# KiCad board EnvKB_HS.kicad_pcb (continued)
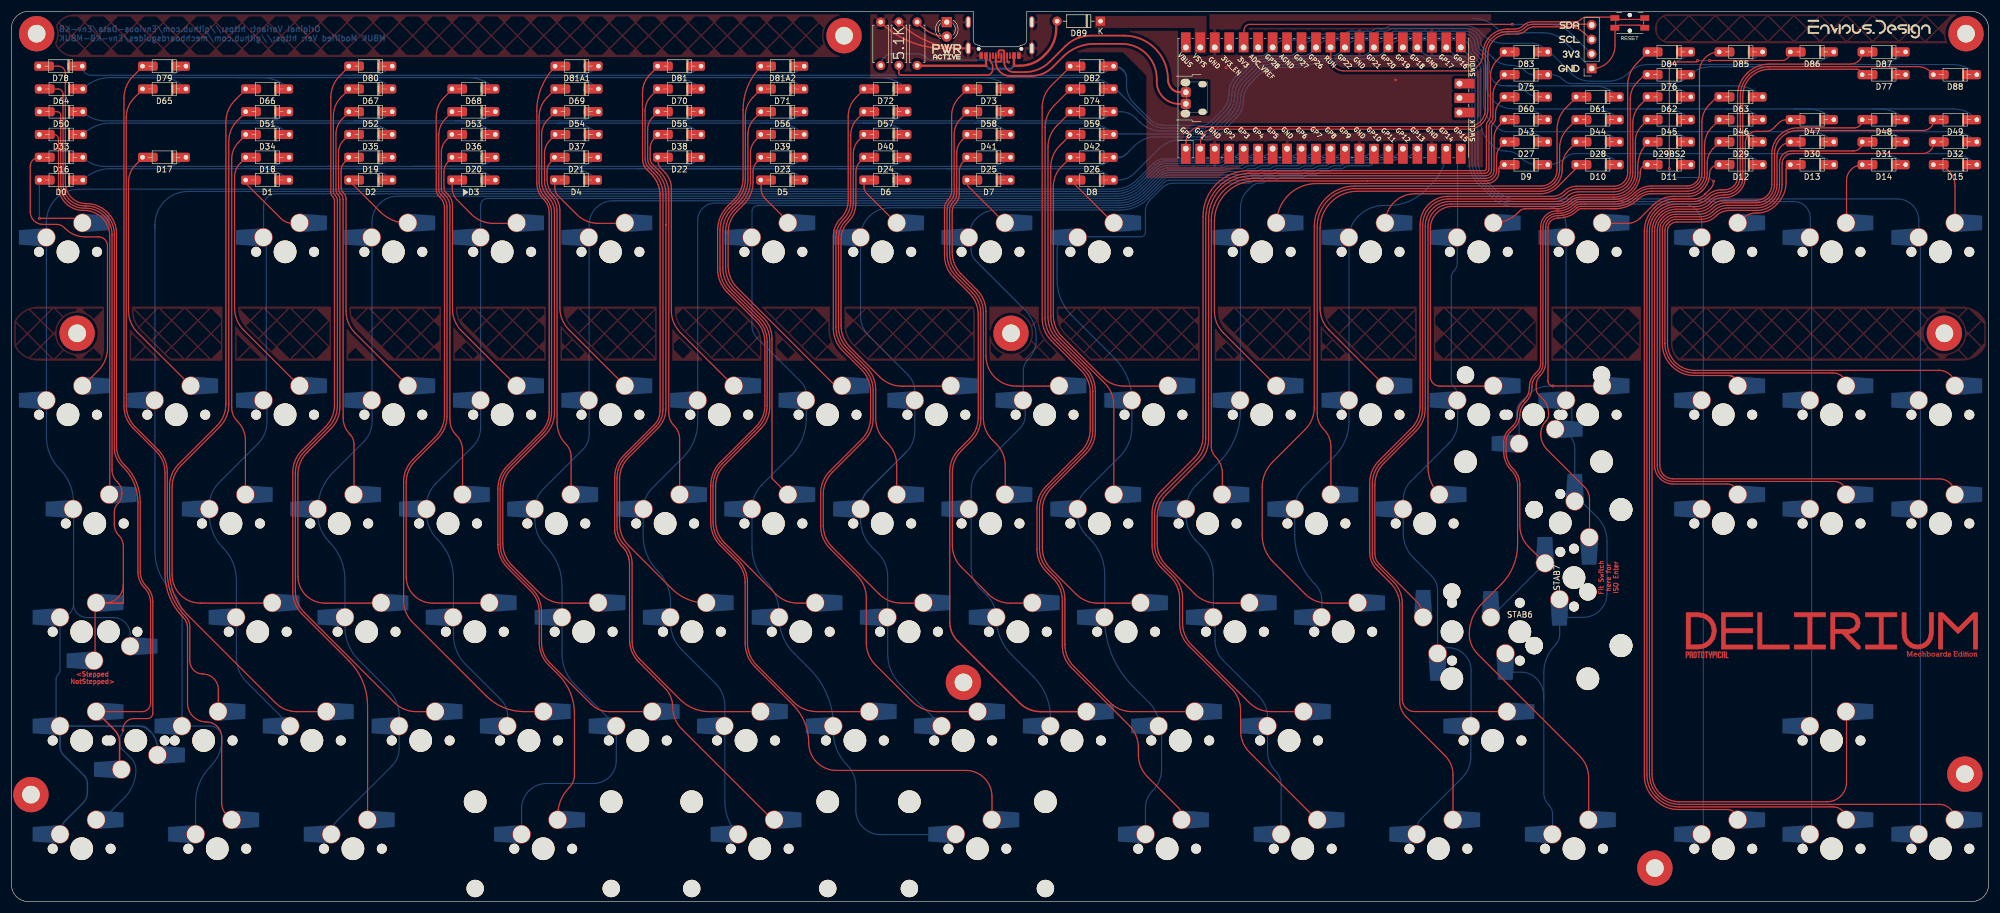
[diagram p0: board, top side]
## Routing (per net, layer and track width the routed paths; a pad name or vN(x,y) marks a point on that pad's centre or on a via; arc(x,y) is an arc through that point) (continued)
row6: length 407.1
  Bottom w0.2: 313.92,146.97 327.1,146.97 ; 313.92,146.97 314.5,146.97 arc(317.39,147.55) D86.1 ; 313.92,146.97 300.97,146.97 ; 327.1,146.97 340.61,146.97 arc(342.95,146.51) D88.1 ; 327.1,146.97 arc(329.99,147.55) D87.1 ; 59.72,145.08 99.17,145.08 ; 59.72,145.08 26.66,145.08 ; 59.72,145.08 62.97,145.08 arc(65.06,145.5) D80.1 ; 99.17,145.08 116.92,145.08 ; 99.17,145.08 arc(101.26,145.5) D81A1.1 ; 26.66,145.08 26.77,145.08 arc(28.86,145.5) D79.1 ; 26.66,145.08 14.03,145.08 arc(12.9,145.55) D78.1 ; 269.71,149.1 268.91,149.9 arc(268.02,150.49) 266.98,150.7 261.93,150.7 arc(259.89,151.11) 258.16,152.26 257.65,152.77 arc(256.48,153.55) 255.09,153.83 242.22,153.83 arc(241.89,153.76) 241.61,153.57 arc(241.33,153.39) 240.99,153.32 239.68,153.32 arc(239.35,153.25) 239.07,153.07 arc(238.79,152.88) 238.45,152.81 234.85,152.81 arc(234.52,152.75) 234.24,152.56 arc(233.96,152.37) 233.63,152.31 230.03,152.31 arc(229.7,152.24) 229.42,152.05 arc(229.13,151.86) 228.8,151.8 227.74,151.8 arc(227.41,151.73) 227.13,151.54 arc(226.85,151.36) 226.52,151.29 223.65,151.29 arc(222.79,151.12) 222.06,150.63 220.43,149 arc(219.87,148.63) 219.21,148.5 arc(218.55,148.36) 217.99,147.99 214.92,144.93 arc(213.99,143.53) 213.67,141.89 arc(213.34,140.25) 212.41,138.86 210.51,136.95 arc(209.79,136.47) 208.94,136.3 204.76,136.3 arc(204.76,136.3) 204.76,136.3 arc(204.76,136.3) 204.76,136.3 202.15,136.3 arc(200.97,136.54) 199.96,137.21 197.03,140.14 arc(196.05,141.6) 195.71,143.33 195.71,144.58 ; 288.26,146.97 300.97,146.97 ; 288.26,146.97 287.26,146.97 arc(285.44,146.61) 283.9,145.58 arc(282.19,144.44) 280.16,144.03 277.11,144.03 arc(275.3,144.4) 273.76,145.42 270.08,149.1 ; 288.26,146.97 289.4,146.97 arc(292.29,147.55) D84.1 ; 300.97,146.97 302,146.97 arc(304.89,147.55) D85.1 ; 116.92,145.08 135.27,145.08 ; 116.92,145.08 117.17,145.08 arc(119.26,145.5) D81.1 ; 135.27,145.08 189.57,145.08 arc(191.66,145.5) D82.1 ; 135.27,145.08 arc(137.36,145.5) D81A2.1 ; 195.71,144.58 arc(195.09,146.07) 193.6,146.69 ; 195.71,144.58 arc(195.58,145.25) 195.2,145.81 195.08,145.93 arc(194.34,146.43) 193.46,146.6
USB2_N: length 48.8
  Top w0.3: 206.16,142.09 205.23,142.09 arc(203.64,142.75) 202.98,144.33 ; USB1.A7 173.25,149.28 arc(173.3,149.41) 173.43,149.46 174.03,149.46 arc(174.19,149.4) 174.25,149.24 USB1.B7 174.25,147.34 arc(174.75,146.14) 175.96,145.63 177.83,145.63 arc(180.21,146.11) 182.23,147.46 184.94,150.17 arc(187.03,151.56) 189.48,152.05 195.27,152.05 arc(200.72,149.79) 202.98,144.33 ; 205.86,142.09 204.99,142.09 arc(204.31,142.23) 203.73,142.61 203.67,142.67 arc(203.16,143.43) 202.98,144.33
USB2_P: length 46.8
  Top w0.3: USB1.A6 173.75,147.75 arc(173.67,147.56) 173.48,147.49 173.01,147.49 arc(172.83,147.56) 172.75,147.74 USB1.B6 172.75,147.48 arc(173.49,145.7) 175.27,144.96 178.98,144.96 arc(181.02,145.36) 182.74,146.52 184.56,148.33 arc(187.07,150.01) 190.03,150.6 194.9,150.6 arc(199.22,148.81) 201.01,144.49 201.01,143.96 arc(202.15,141.2) 204.91,140.06 206.16,140.06
USBVBUS: length 32.9
  Top w0.4: 183.36,154.21 183.36,153.21 arc(182.89,150.85) 181.55,148.85 181.22,148.52 arc(179.27,147.22) 176.96,146.76 v1(175.96,146.76) 175.95,146.77 USB1.A4 ; 159.1,146.76 v1(171.05,146.76) USB1.A9
  Bottom w0.4: v1(175.96,146.76) 175.43,146.24 171.58,146.24 v1(171.05,146.76)
Net-(D0-Pad2): length 13.5
  Top w0.2: v1(4.91,119.97) 11.66,119.97
  Bottom w0.2: D0.2 v1(4.91,119.97)
Net-(D1-Pad2): length 11
  Top w0.2: 41.14,126.1 47.3,119.94 arc(48.25,119.3) 49.38,119.08
Net-(D2-Pad2): length 13.2
  Top w0.2: 59.24,126.6 64.71,121.12 arc(66.98,119.61) 69.65,119.08
Net-(D3-Pad2): length 15.6
  Top w0.2: 88.7,119.08 84.58,119.08 arc(82.5,119.49) 80.73,120.67 78.28,123.13 arc(77.58,124.17) 77.34,125.4 77.34,126.6
Net-(D4-Pad2): length 15.9
  Top w0.2: 107.75,119.08 103.03,119.08 arc(100.95,119.49) 99.18,120.67 95.96,123.89 arc(95.54,124.53) 95.39,125.28 95.39,126.1
Net-(D5-Pad2): length 8.6
  Top w0.2: 136.32,119.38 132.27,123.43 arc(131.76,124.2) 131.58,125.11 131.58,126.1
Net-(D6-Pad2): length 9.3
  Top w0.2: 149.64,126.1 149.64,125.46 arc(149.76,124.86) 150.09,124.36 155.37,119.08
Net-(D7-Pad2): length 9.8
  Top w0.2: 174.42,119.08 168.03,125.47 arc(167.81,125.8) 167.74,126.18
Net-(D8-Pad2): length 9.9
  Top w0.2: 193.47,119.08 186.45,126.1
Net-(D9-Pad2): length 45.7
  Top w0.2: 261.7,129.35 arc(261.25,129.16) 261.06,128.71 261.07,128.7 261.07,128.18 arc(260.45,126.7) 258.97,126.09 238.17,126.09 238.17,126.08 arc(238.16,126.08) 238.15,126.08 229.04,126.08 arc(224.1,124.03) 222.05,119.08
Net-(D10-Pad2): length 38.2
  Top w0.2: 274.64,128.77 271.46,125.6 arc(270,124.62) 268.28,124.28 246.29,124.28 arc(242.62,122.75) 241.1,119.08
Net-(D11-Pad2): length 31.8
  Top w0.2: K_11.2 arc(262.44,119.64) 264.44,120.98 264.75,121.28 arc(265.16,121.56) 265.65,121.66 265.66,121.65 271.35,121.65 arc(272.74,121.93) 273.91,122.72 arc(274.54,123.14) 275.29,123.28 281.2,123.28 arc(284.51,124.65) 285.87,127.95 285.87,128.14 arc(286.24,129.02) D11.2
Net-(D12-Pad2): length 25.2
  Top w0.2: 279.2,119.08 283.61,119.08 arc(284.8,119.32) 285.82,120 288.13,122.31 arc(289.81,123.43) 291.79,123.83 294.38,123.83 arc(295.63,124.07) 296.69,124.78 296.85,124.95 arc(297.73,126.25) 298.03,127.8 arc(298.49,128.9) 299.59,129.35
Net-(D13-Pad2): length 14.4
  Top w0.2: 303.92,119.99 arc(304.93,120.66) 306.12,120.9 306.42,120.9 arc(308.13,121.24) 309.59,122.22 309.89,122.51 arc(311.05,124.25) 311.46,126.3 311.46,128.52 arc(311.7,129.11) 312.29,129.35
Net-(D14-Pad2): length 11.9
  Top w0.2: 322.06,119.08 322.06,126.57 arc(322.87,128.54) 324.84,129.35
Net-(D15-Pad2): length 12.4
  Top w0.2: 341.11,119.08 341.11,125.63 arc(340.02,128.26) 337.39,129.35
Net-(D16-Pad2): length 53
  Top w0.2: 12.5,90.5 15.27,93.27 arc(16.45,95.04) 16.86,97.12 16.86,115.14 arc(16.4,116.25) 15.29,116.71 12.96,116.71 arc(11.06,117.09) 9.46,118.16 9.27,118.34 arc(8.65,118.76) 7.91,118.91 5.48,118.91 arc(3.94,119.55) 3.3,121.09 3.3,129.07 arc(3.77,130.21) D16.2
Net-(D17-Pad2): length 45.3
  Top w0.2: 23.04,130.6 21.8,129.36 arc(20.88,127.98) 20.56,126.36 20.56,103.75 arc(20.97,101.67) 22.15,99.9 31.55,90.5
Net-(D18-Pad2): length 45.3
  Top w0.2: 50.6,90.5 40.76,100.34 arc(39.58,102.11) 39.17,104.19 39.17,127.24 arc(39.42,128.53) 40.15,129.62 41.14,130.6
Net-(D19-Pad2): length 45.1
  Top w0.2: 69.65,90.5 60.32,99.83 arc(59.14,101.6) 58.73,103.68 58.73,123.35 arc(58.61,123.93) 58.28,124.42 arc(57.97,124.9) 57.86,125.45 57.86,128.24 arc(58.04,129.15) 58.55,129.91 59.24,130.6
Net-(D20-Pad2): length 45.5
  Top w0.2: 88.7,90.5 79,100.2 arc(77.82,101.97) 77.41,104.05 77.41,122.29 arc(77.21,123.27) 76.66,124.1 76.25,124.51 arc(76,124.89) 75.91,125.34 75.91,128.16 arc(76.09,129.09) 76.62,129.88 77.34,130.6
Net-(D21-Pad2): length 45.7
  Top w0.2: 107.75,90.5 97.85,100.4 arc(96.67,102.17) 96.26,104.25 96.26,121.36 arc(95.97,122.83) 95.13,124.08 arc(94.3,125.32) 94.01,126.79 94.01,128.24 arc(94.19,129.15) 94.7,129.91 95.39,130.6
Net-(D22-Pad2): length 44.5
  Top w0.2: 126.8,90.5 117.41,99.89 arc(116.23,101.66) 115.82,103.74 115.82,125.23 arc(115.51,126.76) 114.65,128.06 113.96,128.75 arc(113.6,129.28) 113.48,129.91
Net-(D23-Pad2): length 50
  Top w0.2: 131.57,130.6 130.86,129.89 arc(130.34,129.11) 130.16,128.19 130.16,126.3 arc(129.74,124.22) 128.56,122.46 127.38,121.27 arc(126.2,119.5) 125.78,117.42 125.78,111.63 arc(126.2,109.55) 127.38,107.79 144.24,90.93 arc(144.7,90.61) 145.25,90.5
Net-(D24-Pad2): length 55.2
  Top w0.2: 149.64,130.6 148.92,129.88 arc(148.39,129.09) 148.21,128.16 148.21,122.55 arc(147.87,120.84) 146.9,119.39 arc(145.93,117.95) 145.59,116.24 145.59,101.18 arc(146.01,99.09) 147.19,97.33 152.42,92.1 arc(154.18,90.92) 156.27,90.5 164.9,90.5
Net-(D25-Pad2): length 53.5
  Top w0.2: 167.74,130.6 167.05,129.91 arc(166.54,129.15) 166.36,128.24 166.36,124.18 arc(166.2,123.37) 165.73,122.67 arc(165.27,121.98) 165.11,121.17 165.11,114 arc(165.52,111.92) 166.7,110.16 169.44,107.42 arc(170.62,105.65) 171.03,103.57 171.03,95.84 arc(172.59,92.07) 176.36,90.5 183.95,90.5
Net-(D26-Pad2): length 54.8
  Top w0.2: 185.84,130.6 184.35,129.11 arc(183.25,127.46) 182.86,125.51 182.86,102.95 arc(183.27,100.87) 184.45,99.1 191.45,92.1 arc(193.22,90.92) 195.3,90.5 203,90.5
Net-(D27-Pad2): length 93.3
  Top w0.2: 262.09,133.3 261.37,132.59 arc(260.84,131.79) 260.66,130.86 260.66,128.37 arc(260.12,127.07) 258.82,126.54 237.99,126.54 arc(237.98,126.53) 237.98,126.53 arc(237.97,126.53) 237.97,126.53 218.21,126.53 arc(213.2,124.45) 211.13,119.44 211.13,103.68 arc(211.54,101.6) 212.72,99.83 222.05,90.5
Net-(D28-Pad2): length 86.2
  Top w0.2: 274.64,133.3 273.4,132.06 arc(272.48,130.69) 272.16,129.07 272.16,128.48 arc(271.87,127.05) 271.06,125.83 arc(269.84,125.01) 268.4,124.73 236.22,124.73 arc(231.59,122.81) 229.67,118.18 229.67,104.19 arc(230.08,102.11) 231.26,100.34 241.1,90.5
Net-(D29-Pad2): length 90.4
  Top w0.2: 280.7,121.65 281.74,121.65 ; 280.7,121.65 281.41,121.65 arc(283.64,122.1) 285.53,123.36 arc(286.55,124.04) 287.74,124.28 294.31,124.28 arc(295.45,124.5) 296.42,125.15 296.58,125.31 arc(297.34,126.45) 297.61,127.8 297.61,129.66 arc(297.88,131.06) 298.67,132.24 299.74,133.3 ; 280.7,121.65 276.04,121.65 276.03,121.66 275.51,121.66 arc(275.18,121.6) 274.91,121.41 arc(273.38,120.39) 271.57,120.03 271.42,120.03 arc(270.19,119.52) 269.67,118.28 269.67,91.37 arc(269.92,90.78) v1(270.51,90.53) 279.14,90.53
  Bottom w0.2: K_29.2 264.59,84.16 arc(264.49,84.66) 264.21,85.09 264.21,86.13 arc(264.37,86.94) 264.83,87.63 266.14,88.94 arc(267.9,90.12) 269.98,90.53 v1(270.51,90.53)
Net-(D29BS2-Pad2): length 85.4
  Top w0.2: 260.14,90.5 250.69,90.5 arc(249.52,90.99) 249.03,92.16 249.03,118.2 arc(250.16,120.93) 252.89,122.06 271.3,122.06 arc(272.58,122.31) 273.66,123.03 arc(274.38,123.52) 275.23,123.69 281.21,123.69 arc(284.19,124.92) 285.43,127.91 285.43,129.06 arc(285.89,131.36) 287.19,133.3
Net-(D30-Pad2): length 71.6
  Top w0.2: 301.3,92.37 301.43,92.37 arc(302.03,92.25) 302.55,91.91 ; 301.3,92.37 295.3,92.37 arc(293.22,92.79) 291.45,93.97 291.34,94.08 arc(290.16,95.85) 289.74,97.93 289.74,118 arc(289.88,118.7) 290.27,119.28 290.62,119.63 arc(291.28,120.07) 292.05,120.22 296.27,120.22 arc(297.59,120.49) 298.71,121.24 arc(299.83,121.99) 301.16,122.25 306.2,122.25 arc(307.6,122.53) 308.79,123.32 arc(309.58,124.51) 309.86,125.9 309.86,130.87 arc(310.57,132.59) 312.29,133.3 ; 301.3,92.37 arc(302.51,91.87) 303.01,90.66
Net-(D31-Pad2): length 100.5
  Top w0.2: 322.06,90.5 arc(321.38,92.14) 319.74,92.82 295.38,92.82 arc(293.39,93.22) 291.71,94.34 arc(290.59,96.02) 290.19,98.01 arc(290.19,98.01) 290.19,98.01 290.19,117.84 arc(290.33,118.51) 290.7,119.08 290.96,119.34 arc(290.97,119.34) 290.97,119.34 arc(291.45,119.66) 292.02,119.77 296.45,119.77 arc(297.78,120.04) 298.9,120.79 arc(300.02,121.54) 301.34,121.8 306.2,121.8 arc(307.77,122.11) 309.11,123 arc(310,124.33) 310.31,125.9 310.31,129.71 arc(310.92,131.19) 312.39,131.8 323.34,131.8 arc(324.4,132.24) 324.84,133.3
Net-(D32-Pad2): length 131.1
  Top w0.2: 341.11,90.5 arc(340.3,92.46) 338.34,93.27 295.38,93.27 arc(293.57,93.63) 292.03,94.66 arc(291,96.2) 290.64,98.01 290.64,117.77 arc(290.75,118.33) 291.07,118.81 arc(291.64,119.19) 292.32,119.32 296.67,119.32 arc(297.99,119.59) 299.12,120.34 arc(300.24,121.09) 301.56,121.35 301.56,121.35 306.31,121.35 arc(307.95,121.68) 309.35,122.61 309.42,122.68 arc(310.41,124.16) 310.76,125.9 310.76,129.54 arc(311.29,130.82) 312.57,131.35 335.44,131.35 arc(336.82,131.92) 337.39,133.3
Net-(D33-Pad2): length 68.9
  Top w0.2: 17.26,71.45 17.26,116.85 arc(15.94,120.03) 12.76,121.35 12.62,121.35 arc(9.54,122.63) 8.26,125.71 8.26,133.87 arc(8.02,134.44) 7.44,134.69
Net-(D34-Pad2): length 64.6
  Top w0.2: 41.14,134.6 39.9,133.36 arc(38.98,131.99) 38.66,130.37 38.66,86.75 arc(38.92,85.45) 39.65,84.35 arc(40.7,82.78) 41.07,80.93 41.07,71.45
Net-(D35-Pad2): length 64.5
  Top w0.2: 60.12,71.45 60.12,80.35 arc(59.94,81.28) 59.41,82.07 arc(58.53,83.39) 58.22,84.95 58.22,123.28 arc(58.11,123.81) 57.81,124.26 arc(57.51,124.71) 57.41,125.24 57.41,131.48 arc(57.65,132.67) 58.32,133.68 59.24,134.6
Net-(D36-Pad2): length 64.8
  Top w0.2: 79.17,71.45 79.17,79.24 arc(78.89,80.69) 78.07,81.91 arc(77.25,83.14) 76.96,84.59 76.96,122.1 arc(76.76,123.08) 76.21,123.91 75.8,124.32 arc(75.55,124.7) 75.46,125.15 75.46,131.61 arc(75.69,132.76) 76.33,133.72 77.21,134.6
Net-(D37-Pad2): length 65
  Top w0.2: 98.22,71.45 98.22,78.18 arc(98,79.31) 97.36,80.28 arc(96.17,82.04) 95.76,84.13 95.76,121.26 arc(95.47,122.7) 94.66,123.91 arc(93.84,125.13) 93.56,126.57 93.56,131.39 arc(93.8,132.62) 94.5,133.66 95.44,134.6
Net-(D38-Pad2): length 65.2
  Top w0.2: 117.27,71.45 117.27,81.24 arc(117.03,82.48) 116.32,83.53 arc(115.62,84.59) 115.37,85.83 115.37,124.34 arc(114.95,126.42) 113.78,128.18 112.52,129.44 arc(112.21,129.89) 112.11,130.43 112.11,132.33 arc(112.28,133.2) 112.77,133.94 113.44,134.6
Net-(D39-Pad2): length 69.2
  Top w0.2: 131.54,134.6 130.62,133.68 arc(129.95,132.67) 129.71,131.48 129.71,126.49 arc(129.29,124.41) 128.11,122.64 126.93,121.46 arc(125.75,119.69) 125.33,117.61 125.33,111.4 arc(125.75,109.32) 126.93,107.55 131.96,102.52 arc(133.09,100.83) 133.48,98.85 133.48,74.3 136.32,71.45
Net-(D40-Pad2): length 67.8
  Top w0.2: 155.37,71.45 155.37,76.63 arc(154.96,78.71) 153.78,80.48 153.28,80.98 arc(152.1,82.75) 151.68,84.83 151.68,89.94 arc(151.27,92.03) 150.09,93.79 146.74,97.14 arc(145.56,98.91) 145.14,100.99 145.14,116.43 arc(145.48,118.13) 146.45,119.58 arc(147.42,121.03) 147.76,122.73 147.76,131.39 arc(148,132.62) 148.7,133.66 149.64,134.6
Net-(D41-Pad2): length 67.2
  Top w0.2: 174.42,71.45 174.42,76.53 arc(174.01,78.61) 172.83,80.38 172.18,81.03 arc(171,82.8) 170.58,84.88 170.58,103.38 arc(170.17,105.47) 168.99,107.23 166.25,109.97 arc(165.07,111.74) 164.66,113.82 164.66,121.35 arc(164.82,122.17) 165.28,122.86 arc(165.75,123.55) 165.91,124.37 165.91,131.48 arc(166.15,132.67) 166.82,133.68 167.74,134.6
Net-(D42-Pad2): length 68.4
  Top w0.2: 193.47,71.45 193.47,87.19 arc(193.06,89.27) 191.88,91.04 184,98.92 arc(182.82,100.68) 182.41,102.76 182.41,128.92 arc(182.82,131) 184,132.76 185.84,134.6
Net-(D43-Pad2): length 112.8
  Top w0.2: 262.09,137.25 261.15,136.31 arc(260.45,135.27) 260.21,134.04 260.21,128.41 arc(259.79,127.4) 258.78,126.99 217.95,126.99 arc(212.74,124.83) 210.58,119.62 210.58,79.88 arc(210.77,78.93) 211.31,78.12 arc(212.21,76.78) 212.52,75.19 212.52,71.45
Net-(D44-Pad2): length 105.7
  Top w0.2: 274.64,137.25 273.17,135.79 arc(272.09,134.16) 271.71,132.25 271.71,128.48 arc(271.46,127.22) 270.74,126.15 arc(269.68,125.44) 268.42,125.18 235.89,125.18 arc(231.13,123.21) 229.16,118.45 229.16,85.7 arc(229.46,84.21) 230.3,82.95 arc(231.24,81.54) 231.57,79.88 231.57,71.45
Net-(D45-Pad2): length 98.9
  Top w0.2: 287.19,137.25 286.1,136.16 arc(285.29,134.95) 285.01,133.53 285.01,128.02 arc(284.71,126.52) 283.86,125.26 arc(282.6,124.41) 281.1,124.11 275.28,124.11 arc(274.21,123.9) 273.3,123.29 arc(272.39,122.69) 271.33,122.48 252.59,122.48 arc(249.77,121.31) 248.61,118.49 248.61,76.32 arc(249.13,73.69) 250.62,71.45
Net-(D46-Pad2): length 101.6
  Top w0.2: 299.74,137.25 298.45,135.96 arc(297.49,134.53) 297.16,132.85 297.16,127.79 arc(296.93,126.62) 296.26,125.63 arc(295.27,124.97) 294.1,124.73 287.89,124.73 arc(286.45,124.45) 285.23,123.63 arc(283.49,122.47) 281.43,122.06 275.41,122.06 arc(275.02,121.98) 274.68,121.76 arc(273.22,120.78) 271.48,120.44 271.31,120.44 arc(269.86,119.83) 269.26,118.38 269.26,94.69 arc(269,93.41) 268.28,92.33 arc(267.78,91.59) 267.61,90.71 267.61,90.03 arc(267.72,89.46) 268.05,88.97 268.72,88.3 arc(269.51,87.12) 269.78,85.73 269.78,85.47 arc(269.67,84.88) 269.33,84.38 arc(268.65,83.36) 268.41,82.15 268.41,82.06 arc(268.7,80.6) 269.52,79.37 276.06,72.83 arc(276.73,71.83) 276.96,70.66 276.96,63.86
Net-(D47-Pad2): length 95.3
  Top w0.2: 312.29,137.25 311.41,137.25 arc(310.76,137.12) 310.21,136.75 309.23,135.78 arc(308.65,135.39) 307.96,135.25 306.28,135.25 arc(304.89,134.67) 304.31,133.28 304.31,130.67 304.31,127.26 arc(304.03,125.87) 303.24,124.69 arc(302.06,123.9) 300.67,123.62 300.34,123.62 arc(299.28,123.41) 298.38,122.81 298.17,122.6 arc(297.03,121.84) 295.69,121.58 292.24,121.58 arc(290.78,121.28) 289.54,120.46 289.46,120.38 arc(288.66,119.19) 288.38,117.78 288.38,76.57 arc(288.63,75.33) 289.33,74.27 arc(290.39,73.57) 291.63,73.32 301.14,73.32 arc(302.46,72.78) 303.01,71.45
Net-(D48-Pad2): length 126.1
  Top w0.2: 324.84,137.25 arc(324.43,136.26) 323.44,135.85 313.49,135.85 arc(310.29,134.52) 308.96,131.31 308.96,125.9 arc(308.75,124.85) 308.15,123.96 arc(307.26,123.36) 306.2,123.15 300.78,123.15 arc(299.46,122.89) 298.34,122.14 arc(297.22,121.39) 295.89,121.12 292.09,121.12 arc(290.94,120.89) 289.96,120.24 289.77,120.05 arc(289.08,119.03) 288.84,117.82 288.84,76.55 arc(289.05,75.49) 289.66,74.59 arc(290.56,73.99) 291.62,73.77 319.94,73.77 arc(321.44,73.15) 322.06,71.65
Net-(D49-Pad2): length 156.9
  Top w0.2: 319.81,135.4 313.59,135.4 arc(310.63,134.18) 309.41,131.22 309.41,125.9 arc(309.16,124.68) 308.47,123.64 arc(307.43,122.94) 306.2,122.7 300.97,122.7 arc(299.65,122.44) 298.53,121.69 arc(297.4,120.94) 296.08,120.67 292.08,120.67 arc(291.11,120.48) 290.28,119.93 289.92,119.57 arc(289.46,118.87) 289.29,118.05 289.29,76.55 arc(289.47,75.66) 289.97,74.91 arc(290.73,74.4) 291.62,74.23 338.34,74.23 arc(340.3,73.41) 341.11,71.45 ; 319.81,135.4 319.81,135.4 ; 319.81,135.4 arc(319.81,135.4) 319.81,135.4 ; 319.81,135.4 335.54,135.4 arc(336.85,135.94) 337.39,137.25
Net-(D50-Pad2): length 117.4
  Top w0.2: 14.68,42.5 14.68,52.28 ; K_50A1.2 16.48,52.47 arc(18.72,53.39) 19.64,55.63 ; 19.64,55.63 19.64,62.4 arc(19.44,63.43) 18.85,64.31 arc(18.26,65.19) 18.06,66.22 18.06,68.35 arc(18.23,69.23) 18.73,69.97 arc(19.23,70.72) 19.41,71.6 19.41,71.75 arc(19.21,72.77) 18.63,73.63 18.53,73.72 arc(17.89,74.69) 17.66,75.83 17.66,117.08 arc(16.29,120.38) 12.99,121.75 12.74,121.75 arc(9.86,122.94) 8.66,125.82 8.66,138.07 arc(8.48,138.51) 8.05,138.69 D50.2 ; 19.64,55.63 19.64,52.41
  Top w0.25: 14.88,52.41 19.63,52.41
Net-(D51-Pad2): length 106.4
  Top w0.2: 45.84,52.41 33.17,52.41 arc(29.66,53.86) 28.21,57.37 28.21,72.77 arc(28.62,74.86) 29.8,76.62 36.56,83.38 arc(37.74,85.14) 38.15,87.23 38.15,133.5 arc(38.54,135.45) 39.65,137.11 41.14,138.6
Net-(D52-Pad2): length 102.3
  Top w0.2: 59.24,138.6 58.1,137.46 arc(57.25,136.2) 56.96,134.71 56.96,124.97 arc(57.05,124.51) 57.31,124.13 arc(57.56,123.74) 57.65,123.29 57.65,86.88 arc(57.24,84.79) 56.06,83.03 51.88,78.85 arc(50.7,77.08) 50.28,75 50.28,57.13 arc(50.64,55.32) 51.67,53.79 arc(53.2,52.76) 55.01,52.41 64.89,52.41
Net-(D53-Pad2): length 102.6
  Top w0.2: 83.94,52.41 73.93,52.41 arc(72.15,52.76) 70.64,53.76 arc(69.64,55.27) 69.28,57.05 69.28,73.53 arc(69.7,75.62) 70.88,77.38 74.86,81.36 arc(76.03,83.13) 76.45,85.21 76.45,122.02 arc(76.26,122.96) 75.73,123.76 75.4,124.08 arc(75.11,124.52) 75.01,125.03 75.01,134.62 arc(75.31,136.14) 76.17,137.43 77.34,138.6
Net-(D54-Pad2): length 102
  Top w0.2: 102.99,52.41 96.74,52.41 arc(94.66,52.82) 92.9,54 87.83,59.07 arc(86.65,60.83) 86.23,62.92 86.23,72.23 arc(86.65,74.32) 87.83,76.08 93.71,81.96 arc(94.89,83.73) 95.3,85.81 95.3,121.04 arc(95.01,122.51) 94.18,123.75 arc(93.35,125) 93.06,126.46 93.06,134.7 arc(93.34,136.1) 94.13,137.29 95.2,138.37
Net-(D55-Pad2): length 98.6
  Top w0.2: 113.44,138.6 112.55,137.71 arc(111.89,136.72) 111.66,135.56 111.66,130.41 arc(111.79,129.72) 112.18,129.14 113.29,128.03 arc(114.47,126.27) 114.88,124.18 114.88,118.77 114.87,118.76 arc(114.86,118.75) 114.86,118.74 114.86,86.5 arc(114.5,84.68) 113.47,83.14 108.33,78 arc(107.15,76.23) 106.73,74.15 106.73,66.35 arc(107.15,64.27) 108.33,62.5 115.87,54.96 arc(118.7,53.07) 122.04,52.41
Net-(D56-Pad2): length 104.6
  Top w0.2: 141.09,52.41 137.99,52.41 arc(135.91,52.82) 134.15,54 125.18,62.97 arc(124,64.73) 123.58,66.82 123.58,72.83 arc(124,74.92) 125.18,76.68 131.49,82.99 arc(132.67,84.76) 133.08,86.84 133.08,98.51 arc(132.67,100.59) 131.49,102.36 126.45,107.39 arc(125.27,109.16) 124.86,111.24 124.86,117.77 arc(125.27,119.85) 126.45,121.62 127.66,122.83 arc(128.84,124.59) 129.26,126.68 129.26,134.71 arc(129.55,136.2) 130.4,137.46 131.54,138.6
Net-(D57-Pad2): length 103.6
  Top w0.2: 149.64,138.6 148.47,137.43 arc(147.61,136.14) 147.31,134.62 147.31,122.92 arc(146.97,121.21) 146,119.77 arc(145.03,118.32) 144.69,116.61 144.69,100.8 arc(145.11,98.72) 146.29,96.96 149.64,93.61 arc(150.82,91.84) 151.23,89.76 151.23,84.79 arc(150.82,82.71) 149.64,80.94 144.08,75.38 arc(142.9,73.62) 142.48,71.53 142.48,66.07 arc(142.9,63.98) 144.08,62.22 152.3,54 arc(154.06,52.82) 156.14,52.41 160.14,52.41
Net-(D58-Pad2): length 99.8
  Top w0.2: 179.19,52.41 175.29,52.41 arc(173.21,52.82) 171.45,54 166.73,58.72 arc(165.55,60.48) 165.13,62.57 165.13,75.33 arc(165.55,77.42) 166.73,79.18 168.54,80.99 arc(169.72,82.76) 170.13,84.84 170.13,103.2 arc(169.72,105.28) 168.54,107.05 165.8,109.78 arc(164.62,111.55) 164.21,113.63 164.21,121.54 arc(164.37,122.36) 164.83,123.05 arc(165.3,123.74) 165.46,124.56 165.46,134.71 arc(165.75,136.2) 166.6,137.46 167.74,138.6
Net-(D59-Pad2): length 106.4
  Top w0.2: 198.24,52.41 190.68,52.41 arc(188.6,52.82) 186.83,54 182.53,58.3 arc(181.35,60.07) 180.93,62.15 180.93,68.75 arc(181.35,70.83) 182.53,72.6 188.61,78.67 arc(189.81,80.48) 190.23,82.6 190.23,89.64 arc(189.79,91.86) 188.53,93.75 183.51,98.77 arc(182.33,100.54) 181.92,102.62 181.92,132.43 arc(182.33,134.51) 183.51,136.27 185.84,138.6
Net-(D60-Pad2): length 149.7
  Top w0.2: 217.29,52.41 211.56,52.41 arc(209.47,52.82) 207.71,54 202.68,59.03 arc(201.5,60.8) 201.08,62.88 201.08,67.62 arc(201.5,69.7) 202.68,71.46 208.52,77.31 arc(209.7,79.07) 210.11,81.15 210.11,119.94 arc(212.3,125.24) 217.6,127.44 258.71,127.44 arc(259.45,127.74) 259.76,128.48 259.76,135.87 arc(259.85,136.33) 260.11,136.72 arc(260.37,137.11) 260.46,137.57 260.46,138.43 arc(260.68,139.49) 261.28,140.39 262.09,141.2
Net-(D61-Pad2): length 142.5
  Top w0.2: 236.34,52.41 230.91,52.41 arc(228.82,52.82) 227.06,54 221.49,59.57 arc(220.02,61.76) 219.51,64.35 219.51,72.74 arc(219.99,75.14) 221.35,77.18 227.06,82.89 arc(228.24,84.66) 228.65,86.74 228.65,118.51 arc(230.74,123.55) 235.78,125.63 268.42,125.63 arc(269.5,125.85) 270.43,126.47 arc(271.04,127.39) 271.26,128.48 271.26,135.57 arc(271.67,137.65) 272.85,139.41 274.64,141.2
Net-(D62-Pad2): length 130.5
  Top w0.2: 287.19,141.2 285.87,139.89 arc(284.9,138.43) 284.56,136.71 284.56,128 arc(284.3,126.71) 283.57,125.61 arc(282.47,124.88) 281.18,124.62 275.06,124.62 arc(273.96,124.4) 273.02,123.77 arc(272.08,123.15) 270.97,122.93 252.44,122.93 arc(249.39,121.66) 248.13,118.62 248.13,86.51 arc(247.72,84.42) 246.54,82.66 240.88,77 arc(239.7,75.23) 239.28,73.15 239.28,61.1 arc(239.48,60.11) 240.05,59.26 246.6,52.7 arc(247.45,51.43) K_62.2
Net-(D63-Pad2): length 122.8
  Top w0.2: 299.26,141.2 297.97,139.91 arc(297.02,138.49) 296.68,136.8 296.68,127.78 arc(296.49,126.8) 295.93,125.97 arc(295.1,125.42) 294.12,125.22 287.84,125.22 arc(286.37,124.93) 285.13,124.1 285.1,124.08 arc(283.33,122.89) 281.23,122.47 276.26,122.47 276.25,122.47 275.44,122.47 arc(274.86,122.36) 274.37,122.03 arc(273.05,121.15) 271.5,120.84 271.28,120.84 arc(269.52,120.11) 268.78,118.34 268.78,94.41 arc(268.61,93.53) 268.11,92.78 267.69,92.37 arc(267.07,91.45) 266.86,90.36 arc(266.57,88.93) 265.76,87.71 265.68,87.63 arc(264.98,86.58) 264.73,85.34 arc(264.52,84.25) 263.9,83.32 263.03,82.46 arc(262.5,81.66) 262.31,80.71 262.31,79.04 arc(262.64,77.37) 263.58,75.96 arc(264.43,74.69) 264.73,73.18 264.73,66.03 arc(265.14,64) 266.29,62.28 269.18,59.39
  Bottom w0.2: K_63.2 K_63B1.2
Net-(D64-Pad2): length 139.9
  Top w0.2: D64.2 8.16,142.69 arc(8.8,142.42) 9.06,141.78 9.06,125.97 arc(10.18,123.27) 12.89,122.15 13.08,122.15 arc(16.6,120.69) 18.06,117.17 18.06,79.66 arc(18.39,78) 19.33,76.59 19.6,76.32 arc(21.53,73.43) 22.21,70.02 22.21,57.82 arc(22.5,56.37) 23.32,55.14 arc(24.14,53.92) 24.42,52.47 24.42,34.84 arc(23.99,33.79) 22.93,33.35 14.88,33.35
  Top w0.25: 18.98,23.95 18.98,28.03 arc(18.76,29.16) 18.12,30.12 K_64.2
Net-(D65-Pad2): length 116.7
  Top w0.2: 23.04,142.6 21.6,141.16 arc(20.53,139.56) 20.16,137.68 20.16,87.16 arc(20.57,85.07) 21.75,83.31 25.76,79.29 arc(26.94,77.53) 27.36,75.45 27.36,57.82 arc(28.19,53.64) 30.56,50.1 arc(31.11,49.27) 31.31,48.29 31.31,42.27 arc(31.99,40.64) 33.62,39.96 arc(35.52,39.17) 36.31,37.27 36.31,33.35
Net-(D66-Pad2): length 129.2
  Top w0.2: 55.36,33.35 50.06,33.35 arc(48.07,33.75) 46.38,34.88 30.96,50.3 arc(28.59,53.84) 27.76,58.03 27.76,72.96 arc(28.17,75.04) 29.35,76.81 36.05,83.51 arc(37.23,85.27) 37.65,87.35 37.65,136.85 arc(38.06,138.94) 39.24,140.7 41.14,142.6
Net-(D67-Pad2): length 125.9
  Top w0.2: 59.24,142.6 57.87,141.23 arc(56.86,139.72) 56.51,137.94 56.51,124.78 arc(56.6,124.33) 56.86,123.94 arc(57.11,123.56) 57.2,123.1 57.2,87.06 arc(56.79,84.98) 55.61,83.21 51.43,79.03 arc(50.25,77.27) 49.83,75.18 49.83,54.58 arc(50.25,52.5) 51.43,50.73 67.21,34.95 arc(68.97,33.77) 71.06,33.35 74.41,33.35
Net-(D68-Pad2): length 127
  Top w0.2: 77.34,142.6 75.95,141.21 arc(74.92,139.67) 74.56,137.85 74.56,125.07 arc(74.7,124.35) 75.11,123.74 75.28,123.57 arc(75.81,122.77) 76,121.83 76,85.39 arc(75.58,83.31) 74.41,81.55 70.43,77.57 arc(69.25,75.8) 68.83,73.72 68.83,52.86 arc(69.25,50.78) 70.43,49.01 83.31,36.13 arc(86.38,34.08) 90,33.35 93.46,33.35
Net-(D69-Pad2): length 129.8
  Top w0.2: 95.44,142.6 94.02,141.18 arc(92.98,139.62) 92.61,137.77 92.61,126.24 arc(92.89,124.81) 93.7,123.6 arc(94.51,122.39) 94.8,120.96 94.8,85.94 arc(94.38,83.86) 93.2,82.09 87.38,76.27 arc(86.2,74.5) 85.78,72.42 85.78,62.73 arc(86.2,60.65) 87.38,58.88 91.44,54.82 arc(92.62,53.05) 93.03,50.97 93.03,45.51 arc(93.43,43.54) 94.55,41.86 101.72,34.69 arc(103.2,33.7) 104.94,33.35 112.51,33.35
Net-(D70-Pad2): length 130.6
  Top w0.2: 131.56,33.35 122.5,33.35 arc(119.71,33.91) 117.34,35.49 110.23,42.6 arc(109.27,44.04) 108.93,45.74 108.93,59.39 arc(108.59,61.12) 107.61,62.59 arc(106.63,64.05) 106.28,65.79 106.28,74.33 arc(106.7,76.42) 107.88,78.18 113.11,83.42 arc(114.03,84.79) 114.35,86.42 114.35,124.11 arc(113.94,126.16) 112.78,127.9 111.89,128.79 arc(111.39,129.55) 111.21,130.44 111.21,138.79 arc(111.5,140.25) 112.32,141.48 113.44,142.6
Net-(D71-Pad2): length 135.1
  Top w0.2: 131.54,142.6 130.17,141.23 arc(129.16,139.72) 128.81,137.94 128.81,126.86 arc(128.39,124.78) 127.21,123.02 125.95,121.75 arc(124.77,119.99) 124.36,117.91 124.36,111.1 arc(124.77,109.02) 125.95,107.26 131.04,102.17 arc(132.22,100.4) 132.63,98.32 132.63,87.03 arc(132.22,84.95) 131.04,83.18 124.73,76.87 arc(123.55,75.1) 123.13,73.02 123.13,66.63 arc(123.55,64.55) 124.73,62.78 127.59,59.92 arc(128.77,58.15) 129.18,56.07 129.18,45.38 arc(129.6,43.3) 130.78,41.53 137.23,35.08 arc(139.14,33.8) 141.39,33.35 150.52,33.35
Net-(D72-Pad2): length 132.5
  Top w0.2: 149.64,142.6 148.25,141.21 arc(147.22,139.67) 146.86,137.85 146.86,123.11 arc(146.52,121.4) 145.55,119.95 arc(144.58,118.51) 144.24,116.8 144.24,100.62 arc(144.66,98.53) 145.84,96.77 149.19,93.42 arc(150.37,91.65) 150.78,89.57 150.78,84.98 arc(150.37,82.9) 149.19,81.13 143.63,75.57 arc(142.45,73.8) 142.03,71.72 142.03,65.88 arc(142.45,63.8) 143.63,62.03 148.44,57.22 arc(149.62,55.45) 150.03,53.37 150.03,45.43 arc(150.45,43.35) 151.63,41.58 158.04,35.17 arc(160.05,33.83) 162.42,33.35 169.66,33.35
Net-(D73-Pad2): length 129.6
  Top w0.2: 167.74,142.6 166.37,141.23 arc(165.36,139.72) 165.01,137.94 165.01,124.74 arc(164.85,123.93) 164.38,123.23 arc(163.92,122.54) 163.76,121.73 163.76,113.44 arc(164.17,111.36) 165.35,109.6 168.09,106.86 arc(169.27,105.09) 169.68,103.01 169.68,85.03 arc(169.27,82.95) 168.09,81.18 166.28,79.37 arc(165.1,77.6) 164.68,75.52 164.68,49.09
  Top w0.25: 188.71,33.35 180.63,33.35 arc(178.63,33.75) 176.93,34.88 166.06,45.76 arc(165.04,47.28) 164.68,49.09
Net-(D74-Pad2): length 135.5
  Top w0.2: 207.76,33.35 196.64,33.35 arc(194.56,33.77) 192.8,34.95 186.48,41.27 arc(185.3,43.03) 184.88,45.12 184.88,53.13 arc(184.48,55.15) 183.34,56.85 182.03,58.17 arc(180.85,59.93) 180.43,62.02 180.43,68.88 arc(180.85,70.97) 182.03,72.73 188.19,78.89 arc(189.37,80.66) 189.78,82.74 189.78,89.61 arc(189.37,91.69) 188.19,93.46 183,98.64 arc(181.82,100.41) 181.41,102.49 181.41,135.92 arc(181.82,138) 183,139.76 185.84,142.6
Net-(D75-Pad2): length 176.5
  Top w0.2: 226.81,33.35 221.08,33.35 arc(219,33.77) 217.23,34.95 207.13,45.05 arc(205.95,46.81) 205.54,48.89 205.54,53.28 arc(205.12,55.36) 203.95,57.12 202.23,58.84 arc(201.05,60.61) 200.63,62.69 200.63,67.93 arc(201.05,70.01) 202.23,71.78 208.01,77.56 arc(209.19,79.32) 209.6,81.41 209.6,119.97 arc(211.92,125.57) 217.52,127.89 258.55,127.89 arc(259.09,128.11) 259.31,128.64 259.31,136.05 arc(259.4,136.51) 259.66,136.91 arc(259.92,137.3) 260.01,137.76 260.01,141.61 arc(260.28,142.96) 261.05,144.11 262.09,145.15
Net-(D76-Pad2): length 167
  Top w0.2: 286.61,145.15 285.36,143.9 arc(284.43,142.52) 284.11,140.88 284.11,127.98 arc(283.89,126.89) 283.27,125.96 arc(282.34,125.34) 281.25,125.13 274.85,125.13 arc(273.71,124.9) 272.74,124.25 arc(271.76,123.6) 270.62,123.38 252.29,123.38 arc(249.03,122.03) 247.68,118.77 247.68,86.69 arc(247.27,84.61) 246.09,82.84 240.43,77.18 arc(239.25,75.42) 238.83,73.33 238.83,61.07 arc(239.05,59.97) 239.68,59.03 242.51,56.2 arc(243.69,54.43) 244.1,52.35 244.1,35.53 arc(244.74,34) 246.27,33.37 K_76.2
Net-(D77-Pad2): length 205.8
  Top w0.2: 322.06,33.35 322.06,20.94 arc(321.8,19.64) 321.06,18.53 arc(319.95,17.79) 318.64,17.53 292.78,17.53 arc(290.92,17.89) 289.35,18.94 arc(288.3,20.51) 287.93,22.37 287.93,117.71 arc(288.26,119.35) 289.19,120.75 arc(290.61,121.69) 292.27,122.03 295.5,122.03 arc(296.84,122.29) 297.98,123.05 arc(299.11,123.81) 300.45,124.07 300.67,124.07 arc(301.89,124.32) 302.93,125.01 303.09,125.17 arc(303.66,126.02) 303.86,127.03 303.86,128.12 arc(303.86,128.12) 303.86,128.13 303.86,141.44 arc(304.22,143.24) 305.24,144.77 arc(306.77,145.79) 308.57,146.15 323.84,146.15 arc(324.55,145.86) 324.84,145.15
Net-(D78-Pad2): length 149.5
  Top w0.2: v1(19.57,30.09) 19.57,30.19 arc(20.14,31.56) 21.52,32.13 23.86,32.13 arc(24.54,32.42) 24.82,33.09 24.82,52.63 arc(24.53,54.08) 23.72,55.31 arc(22.9,56.53) 22.61,57.98 22.61,70.24 arc(21.94,73.61) 20.03,76.46 19.76,76.73 arc(18.8,78.17) 18.46,79.88 18.46,117.22 arc(16.9,120.99) 13.13,122.55 13.11,122.55 arc(10.53,123.62) 9.46,126.2 9.46,145.44 arc(9.1,146.32) 8.22,146.69 D78.2
  Bottom w0.2: v1(19.57,30.09) 19.57,30.08 arc(19.48,29.59) 19.2,29.19 arc(19.08,29.01) 19.04,28.8 19.04,27.53 arc(19.12,27.17) 19.33,26.85 20.99,25.19 arc(21.63,24.23) 21.85,23.1 arc(21.33,20.47) 19.84,18.24 16.73,15.14
Net-(D79-Pad2): length 139.8
  Top w0.2: 23.04,146.6 21.35,144.91 arc(20.17,143.15) 19.76,141.06 19.76,86.99 arc(20.17,84.91) 21.35,83.14 25.37,79.13 arc(26.54,77.36) 26.96,75.28 26.96,57.57 arc(27.78,53.44) 30.12,49.93 30.13,49.93 arc(30.71,49.07) 30.91,48.05 30.91,34.85 arc(31.87,32.52) 34.21,31.55 arc(36.12,30.76) 36.91,28.85 36.91,17.35 arc(37.14,16.18) 37.8,15.2
Net-(D80-Pad2): length 140.8
  Top w0.2: 59.24,146.6 57.65,145.01 arc(56.47,143.25) 56.06,141.17 56.06,124.55 arc(56.14,124.14) 56.38,123.79 arc(56.61,123.43) 56.7,123.02 56.7,87.19 arc(56.28,85.11) 55.1,83.34 50.98,79.22 arc(49.8,77.45) 49.38,75.37 49.38,54.38 arc(49.8,52.3) 50.98,50.53 59.23,42.28 arc(61.65,38.65) 62.5,34.37 62.5,14.31
Net-(D81-Pad2): length 147.2
  Top w0.2: 113.44,146.6 112.18,145.34 arc(112.1,145.26) 112.02,145.18 arc(111.94,145.1) 111.87,145.01 111.8,144.93 arc(111.66,144.75) 111.53,144.57 arc(111.41,144.38) 111.3,144.18 arc(111.2,143.98) 111.11,143.77 arc(111.03,143.57) 110.96,143.35 arc(110.9,143.14) 110.85,142.92 arc(110.81,142.7) 110.78,142.47 110.77,142.36 arc(110.76,142.25) 110.76,142.14 arc(110.76,142.02) 110.76,141.91 110.76,130.49 arc(110.76,130.42) 110.76,130.34 arc(110.76,130.27) 110.77,130.19 110.78,130.11 arc(110.8,129.96) 110.83,129.81 arc(110.87,129.67) 110.91,129.52 arc(110.97,129.38) 111.03,129.24 arc(111.1,129.1) 111.18,128.97 arc(111.26,128.84) 111.35,128.72 111.4,128.66 arc(111.45,128.6) 111.5,128.55 arc(111.55,128.49) 111.61,128.44 112.22,127.83 arc(112.3,127.75) 112.38,127.67 arc(112.46,127.58) 112.54,127.5 112.61,127.41 arc(112.75,127.23) 112.89,127.04 arc(113.02,126.85) 113.14,126.66 arc(113.25,126.45) 113.35,126.25 arc(113.44,126.04) 113.52,125.82 arc(113.6,125.61) 113.66,125.39 arc(113.72,125.16) 113.76,124.94 arc(113.8,124.71) 113.82,124.48 113.83,124.37 arc(113.84,124.25) 113.84,124.14 arc(113.84,124.02) 113.84,123.91 113.84,86.21 arc(113.57,84.83) 112.78,83.65 107.47,78.34 arc(106.29,76.58) 105.88,74.5 105.88,65.16 arc(105.89,64.94) 105.92,64.72 arc(105.97,64.5) 106.03,64.29 arc(106.1,64.08) 106.18,63.87 arc(106.27,63.67) 106.37,63.47 arc(106.48,63.27) 106.6,63.09 arc(106.73,62.91) 106.86,62.73 106.93,62.64 arc(107,62.56) 107.08,62.48 107.24,62.32 arc(107.31,62.24) 107.38,62.16 107.45,62.07 arc(107.59,61.89) 107.72,61.71 arc(107.84,61.53) 107.95,61.33 arc(108.05,61.13) 108.14,60.93 arc(108.22,60.72) 108.29,60.51 arc(108.34,60.3) 108.39,60.08 arc(108.43,59.86) 108.46,59.64 108.47,59.53 arc(108.48,59.42) 108.48,59.31 arc(108.48,59.2) 108.48,59.09 108.48,46.07 arc(108.48,45.95) 108.48,45.84 arc(108.49,45.72) 108.5,45.6 108.51,45.48 arc(108.53,45.24) 108.57,45.01 arc(108.61,44.78) 108.67,44.55 arc(108.74,44.32) 108.81,44.09 arc(108.9,43.87) 109,43.66 arc(109.1,43.44) 109.21,43.23 arc(109.34,43.03) 109.47,42.83 arc(109.61,42.64) 109.76,42.46 109.83,42.37 arc(109.91,42.28) 109.99,42.19 arc(110.08,42.11) 110.16,42.02 114.65,37.54 arc(115.71,35.95) 116.08,34.08 arc(116.48,32.05) 117.64,30.32 133.45,14.51
Net-(D81A1-Pad2): length 141.4
  Top w0.2: 95.44,146.6 arc(93.05,143.02) 92.21,138.8 92.21,126.21 arc(92.52,124.64) 93.41,123.31 arc(94.13,122.23) 94.38,120.96 94.38,85.94 arc(94,84.02) 92.92,82.39 87.08,76.56 arc(85.82,74.67) 85.38,72.44 85.38,62.67 85.38,62.66 arc(85.82,60.48) 87.05,58.63 91.1,54.59 91.11,54.59 arc(92.24,52.9) 92.63,50.9 92.63,45.46 arc(93.05,43.38) 94.22,41.62 95.98,39.86 arc(98.07,36.73) 98.81,33.04 98.81,22.21 arc(98.57,21.03) 97.91,20.03 arc(96.41,17.79) 95.88,15.14
Net-(D81A2-Pad2): length 175
  Top w0.2: 172.09,14.31 172.09,18.44 arc(170.75,21.69) 167.5,23.03 144.78,23.03 arc(141.35,24.46) 139.93,27.88 arc(139.22,31.49) 137.18,34.54 130.48,41.23 arc(129.22,43.12) 128.78,45.35 128.78,55.98 128.78,55.98 arc(128.38,57.99) 127.25,59.7 124.41,62.53 arc(123.16,64.4) 122.73,66.59 122.73,73.03 122.73,73.03 arc(123.18,75.28) 124.45,77.17 130.71,83.44 arc(131.84,85.12) 132.23,87.12 132.23,98.26 arc(131.84,100.22) 130.73,101.89 125.63,106.98 arc(124.37,108.87) 123.93,111.09 123.93,117.81 arc(124.4,120.14) 125.72,122.12 126.88,123.28 arc(128.01,124.97) 128.41,126.97 128.41,139.04 arc(129.22,143.13) 131.54,146.6
Net-(D82-Pad2): length 149
  Top w0.2: 185.84,146.6 182.49,143.26 arc(181.32,141.49) 180.9,139.41 180.9,102.36 arc(181.32,100.28) 182.49,98.51 187.74,93.27 arc(188.92,91.5) 189.33,89.42 189.33,82.93 arc(188.92,80.85) 187.74,79.08 181.58,72.92 arc(180.4,71.15) 179.98,69.07 179.98,61.83 arc(180.4,59.75) 181.58,57.98 182.84,56.72 arc(184.02,54.95) 184.43,52.87 184.43,44.93 arc(184.85,42.85) 186.03,41.08 196.19,30.92 arc(197.37,29.15) 197.78,27.07 197.78,25.77 arc(198.2,23.69) 199.38,21.92 204.81,16.49 arc(205.23,15.86) 205.38,15.11
Net-(D83-Pad2): length 196.1
  Top w0.2: 262.09,149.1 260.83,147.84 arc(259.89,146.44) 259.56,144.79 259.56,137.94 arc(259.47,137.48) 259.21,137.09 arc(258.95,136.7) 258.86,136.24 258.86,128.67 arc(258.76,128.43) 258.52,128.34 217.15,128.34 arc(211.48,125.99) 209.13,120.32 209.13,81.7 arc(208.72,79.62) 207.54,77.85 201.78,72.09 arc(200.6,70.32) 200.18,68.24 200.18,62.5 arc(200.6,60.42) 201.78,58.66 203.44,57 arc(204.62,55.23) 205.03,53.15 205.03,48.77 arc(205.45,46.68) 206.62,44.92 214.13,37.42 arc(215.3,35.65) 215.72,33.57 215.72,30.03 arc(216.13,27.95) 217.31,26.18 229.19,14.31
Net-(D84-Pad2): length 176
  Top w0.2: 253,14.76 253,22.26 arc(252.64,24.08) 251.61,25.62 244.78,32.45 arc(243.95,33.7) 243.65,35.18 243.65,52.05 arc(243.24,54.13) 242.06,55.9 239.59,58.37 arc(238.7,59.71) 238.38,61.28 238.38,73.52 arc(238.8,75.6) 239.98,77.37 245.64,83.03 arc(246.82,84.8) 247.23,86.88 247.23,118.88 arc(248.68,122.38) 252.18,123.83 270.38,123.83 arc(271.54,124.06) 272.52,124.71 arc(273.5,125.37) 274.66,125.6 281.27,125.6 arc(282.18,125.78) 282.96,126.3 arc(283.48,127.08) 283.66,127.99 283.66,143.32 arc(284.07,145.4) 285.25,147.16 287.19,149.1
Net-(D85-Pad2): length 172.6
  Top w0.2: 276.82,14.65 276.82,21.7 arc(276.4,23.82) 275.2,25.61 257.32,43.49 arc(256.24,45.11) 255.86,47.01 arc(256.43,49.87) 258.05,52.3 261.45,55.7 arc(263.58,58.9) 264.33,62.66 264.33,73.08 arc(264.05,74.52) 263.23,75.73 arc(262.25,77.21) 261.91,78.94 261.91,80.76 261.91,80.76 arc(262.12,81.82) 262.72,82.73 263.53,83.53 263.53,83.53 arc(264.11,84.39) 264.31,85.41 264.31,85.46 arc(264.57,86.75) 265.3,87.85 265.47,88.02 arc(266.16,89.06) 266.41,90.28 arc(266.67,91.58) 267.4,92.67 267.78,93.06 arc(268.23,93.73) 268.38,94.51 268.38,112.58 268.38,112.59 268.38,118.44 arc(269.21,120.43) 271.19,121.25 271.41,121.25 arc(272.9,121.55) 274.16,122.39 arc(274.71,122.76) 275.35,122.88 275.86,122.88 275.87,122.88 281.16,122.88 arc(283.17,123.28) 284.87,124.41 arc(286.24,125.33) 287.85,125.65 294.12,125.65 arc(294.94,125.81) 295.63,126.27 arc(296.1,126.97) 296.26,127.78 296.26,145.73 arc(297.27,148.17) D85.2
Net-(D86-Pad2): length 182.8
  Top w0.2: v1(290.97,128.69) 290.97,146.38 arc(291.04,146.69) 291.21,146.95 arc(291.74,147.31) 292.37,147.44 295.69,147.44 arc(295.86,147.51) v1(295.93,147.67) ; v1(298.73,126.47) 298.74,126.47 arc(298.74,126.46) 298.74,126.45 arc(298.61,125.78) 298.23,125.21 297.24,124.22 arc(296.3,123.59) 295.2,123.38 291.95,123.38 arc(290.05,123) 288.45,121.93 288.24,121.72 arc(287.01,119.88) 286.58,117.72 286.58,22.06 arc(287,19.97) 288.18,18.21 288.62,17.77 arc(290.38,16.59) 292.46,16.17 301.14,16.17 arc(302.46,15.63) 303.01,14.31 ; v1(298.02,147.67) 310.7,147.67 arc(311.77,148.12) D86.2
  Bottom w0.2: v1(290.97,128.69) 290.97,128.31 arc(291.06,127.89) 291.29,127.53 arc(291.74,127.24) 292.26,127.13 297.14,127.13 arc(298,126.96) v1(298.73,126.47) ; v1(295.93,147.67) v1(298.02,147.67)
Net-(D87-Pad2): length 196.2
  Top w0.2: 324.84,149.1 arc(324.24,147.65) 322.79,147.05 308.5,147.05 arc(306.42,146.64) 304.65,145.46 304.53,145.33 arc(303.35,143.57) 302.93,141.48 302.93,128.78 302.93,127.22 arc(302.76,126.36) 302.28,125.63 arc(301.55,125.15) 300.69,124.97 300.08,124.97 arc(298.74,124.71) 297.61,123.95 arc(296.47,123.19) 295.13,122.93 292.11,122.93 arc(290.24,122.55) 288.65,121.49 288.62,121.46 arc(287.45,119.7) 287.03,117.63 287.03,22.24 arc(287.45,20.16) 288.63,18.39 288.8,18.22 arc(290.57,17.04) 292.65,16.62 319.74,16.62 arc(321.38,15.95) 322.06,14.31
Net-(D88-Pad2): length 225.1
  Top w0.2: 336.84,145.66 arc(335.8,146.36) 334.57,146.6 308.57,146.6 arc(306.59,146.21) 304.92,145.09 arc(303.8,143.41) 303.41,141.44 303.41,127.26 arc(303.2,126.21) 302.61,125.33 arc(301.72,124.73) 300.67,124.52 300.27,124.52 arc(298.93,124.26) 297.79,123.5 arc(296.66,122.74) 295.32,122.48 292.33,122.48 arc(290.44,122.1) 288.83,121.03 arc(287.83,119.53) 287.48,117.76 287.48,22.37 arc(287.89,20.34) 289.03,18.62 arc(290.75,17.48) 292.77,17.08 338.34,17.08 arc(340.3,16.26) 341.11,14.31
Net-(PowerLED0-Pad2): length 6
  Top w0.25: 158.96,154.44 159.65,153.75 arc(161.72,152.37) PowerLED0.2
Net-(RESISTOR0-Pad1): length 21.1
  Top w0.25: USB1.B5 171.75,147.82 arc(171.81,147.52) 171.98,147.26 arc(172.15,147.01) 172.21,146.72 172.21,146.11 arc(171.92,145.4) 171.21,145.11 156.16,145.11 arc(155.88,145.23) 155.76,145.51 RESISTOR0.1
Net-(RESISTOR1-Pad2): length 25.3
  Top w0.25: USB1.A5 174.75,147.64 arc(174.83,147.46) v1(175.01,147.38)
  Bottom w0.25: v1(175.01,147.38) 172.37,147.38 arc(172.17,147.42) 172.01,147.53 arc(171.76,147.7) 171.46,147.76 161.57,147.76 arc(161.05,147.86) 160.61,148.16 arc(159.83,148.68) 158.92,148.86 154.62,148.86 arc(153.16,148.26) RESISTOR1.2

## Copper pours and planes (outline as drawn; the poured copper is in the pictures)
GND on Top, Bottom: 259.71,127.01 199.18,127.01 199.18,145.01 195.08,149.11 186.38,149.11 181.76,144.49 150.73,144.49 150.73,156.49 259.71,156.49
(no net) on Top: 149.88,148.28 7.33,148.28 7.33,155.78 149.88,155.78
(no net) on Top: 346.33,150.69 288.43,150.69 288.43,155.88 346.33,155.88
(no net) on Top: 347.06,94.96 -0.07,94.96 -0.07,104.48 347.06,104.48
VSYS on Top: 209.74,148.92 207.65,148.91 207.64,153.4 190.11,153.4 190.11,155.49 209.74,155.51

## Text on the board
Bottom: Original Variant: https://github.com/Envious-Data/Env-KB / MBUK Modified Ver: https://github.com/mechboardsguides/Env-KB-MBUK
Top: <Stepped / NotStepped> | Fit Switch / here for / ISO Enter
F.Fab: USB Power | PLEASE CHECK ALIGNMENT OF "HRO-TYPE-C-31-M-12" | SDA | SCL | 3V3 | GND | CW | UU
F.Silkscreen: 5.1K
